# Altium PCB ETRX_Shield_III.PcbDoc (part 1 of 2) (continued)
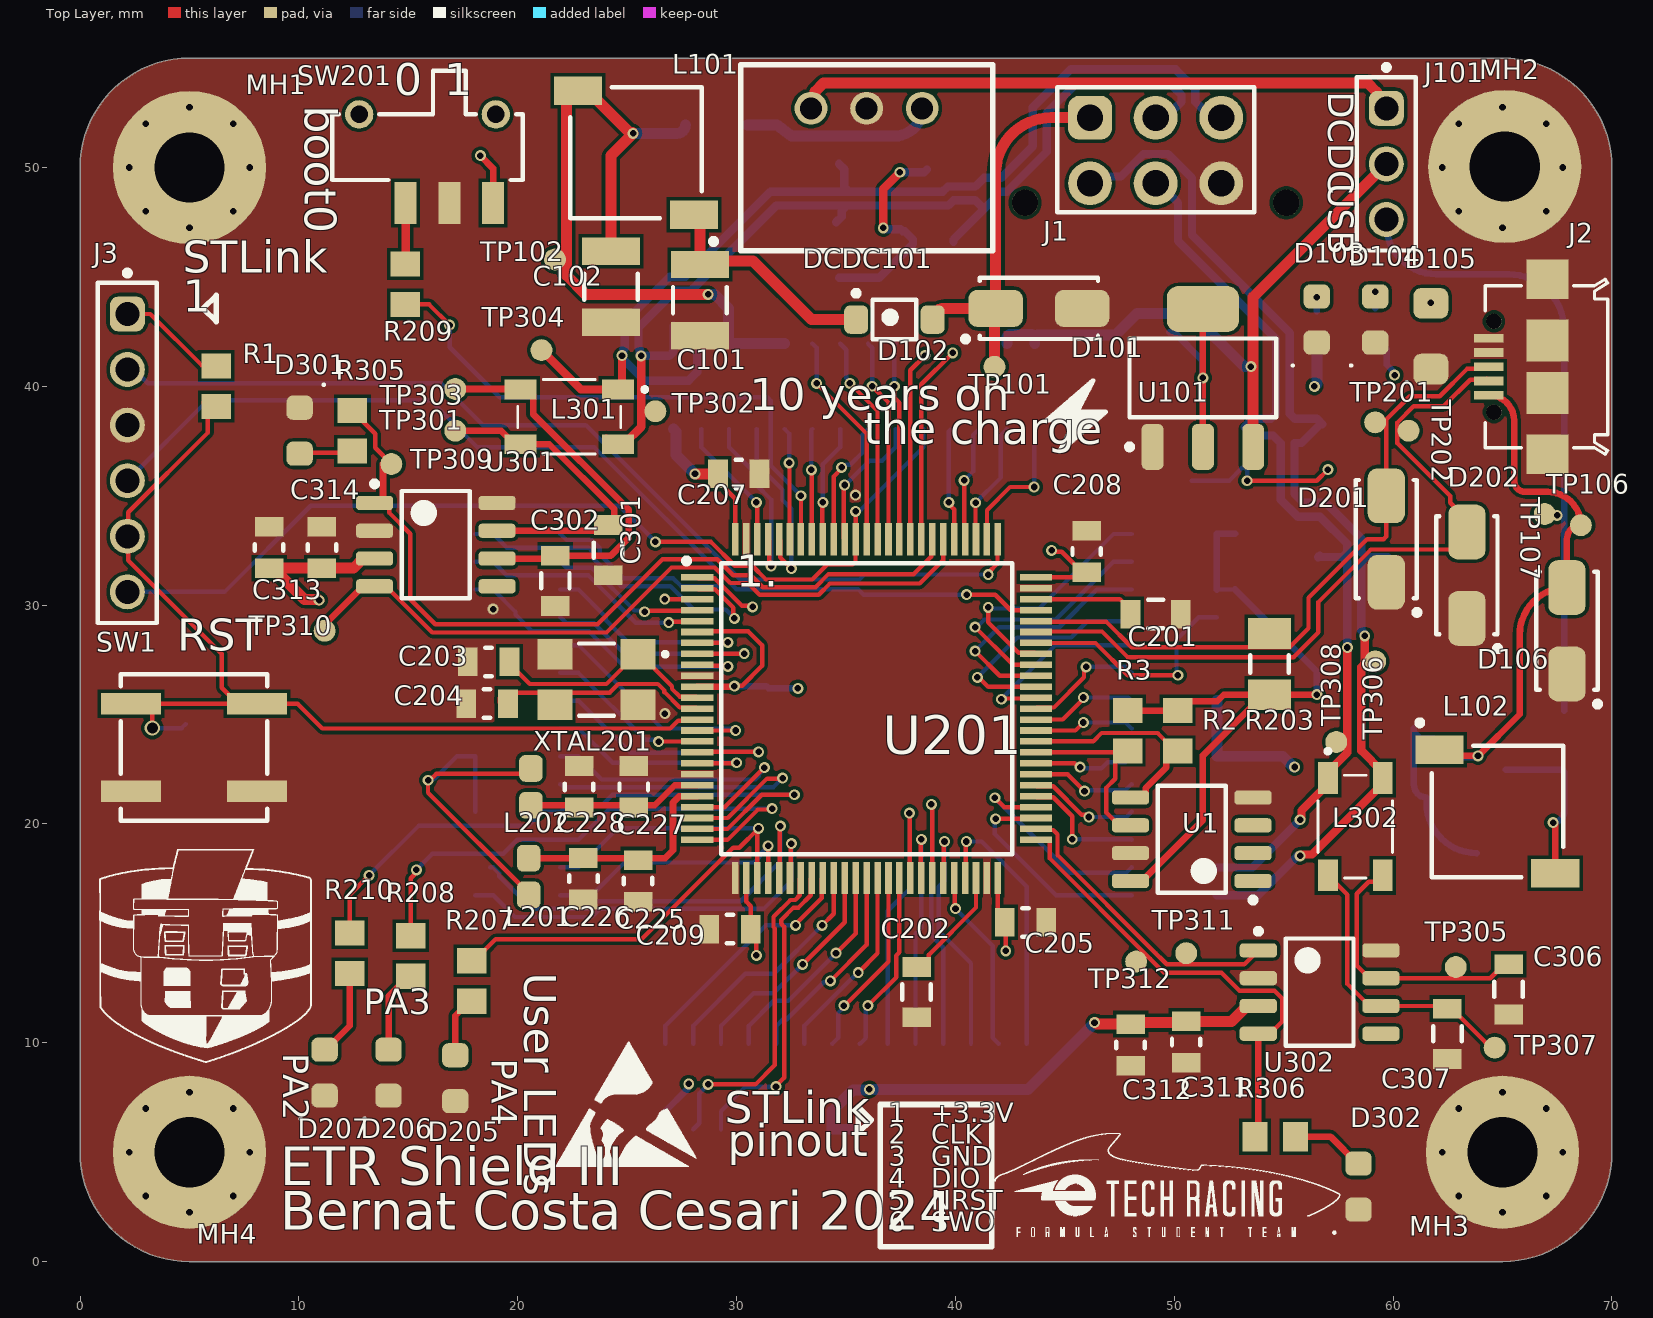
[diagram p0: Top Layer view]
## Components (designator, comment, footprint, x,y, rotation, side; value= is the part's Value field where it differs from the comment)
C2 "885012207098" C0805FNPC-R 4.826,23.622 r270 bottom
C101 "C1210C682KGRACAUTO" C6.8n-2kV-1210FNPMLCC-X7R 28.321,43.942 r270 top
C102 "C1210C682KGRACAUTO" C6.8n-2kV-1210FNPMLCC-X7R 24.257,44.551 r270 top
C104 "885012107014" C0805FNPC-R 47.117,41.402 r270 bottom
C105 "885012107014" C0805FNPC-R 49.784,41.529 r90 bottom
C106 "885012207098" C0805FNPC-R 64.77,18.669 r0 bottom
C107 "885012207103" C0805FNPC-R 62.484,21.209 r0 bottom
C108 "10uF" C0805FNPC-W 62.103,24.384 r0 bottom
C109 "10uF" C0805FNPC-W 65.151,23.622 r90 bottom
C201 "2.2uF" C0805FNPC-W 49.149,29.591 r0 top
C202 "2.2uF" C0805FNPC-W 38.227,12.319 r270 top
C203 "885012007052" C0805FNPC-R 18.669,27.407 r0 top
C204 "885012007052" C0805FNPC-R 18.6,25.5 r0 top
C205 "885012207098" C0805FNPC-R 43.2,15.5 r0 top
C206 "885012207098" C0805FNPC-R 31.4,27.2 r90 bottom
C207 "885012207098" C0805FNPC-R 30.1,36 r0 top
C208 "885012207098" C0805FNPC-R 46,32.45 r90 top
C209 "885012207098" C0805FNPC-R 29.7,15.2 r180 top
C225 "885012207103" C0805FNPC-R 25.5,17.4 r270 top
C226 "885012207098" C0805FNPC-R 23,17.5 r270 top
C227 "885012207103" C0805FNPC-R 25.3,21.7 r90 top
C228 "885012207098" C0805FNPC-R 22.8,21.7 r90 top
C301 "885012007057" C0805FNPC-W 24.13,32.512 r270 top
C302 "885012007057" C0805FNPC-W 21.717,31.115 r90 top
C303 "885012007057" C0805FNPC-W 33.401,47.117 r180 bottom
C304 "885012007057" C0805FNPC-W 33.528,50.165 r180 bottom
C305 "885012007057" C0805FNPC-W 33.528,44.958 r0 bottom
C306 "885012007057" C0805FNPC-W 65.278,12.446 r270 top
C307 "885012007057" C0805FNPC-W 62.484,10.414 r90 top
C308 "885012007057" C0805FNPC-W 59.817,30.988 r270 bottom
C309 "885012007057" C0805FNPC-W 56.642,31.115 r270 bottom
C310 "885012007057" C0805FNPC-W 50.8,36.83 r270 bottom
C311 "885012207098" C0805FNPC-R 50.546,10.033 r270 top
C312 "885012207098" C0805FNPC-R 48.006,9.906 r270 top
C313 "885012207098" C0805FNPC-R 8.636,32.639 r90 top
C314 "885012207098" C0805FNPC-R 11.049,32.639 r90 top
D101 "824501261" DTVS-DO-214AC 43.815,43.561 r180 top
D102 "MBR0530" DSC-SOD123 37.211,43.053 r0 top
D103 "150080GS75000" LED_0805_WE 56.515,43.053 r90 top
D104 "150080GS75000" LED_0805_WE 59.182,43.053 r90 top
D105 "150120BS75000" LED_1206_WE 61.722,42.291 r90 top
D106 "824501131" DTVS-DO-214AC 67.945,28.829 r270 top
D201 "824501600" DTVS-DO-214AC 59.69,33.02 r270 top
D202 "824501600" DTVS-DO-214AC 63.373,31.369 r270 top
D205 "150080RS75000" LED_0805_WE 17.145,8.382 r90 top
D206 "150080RS75000" LED_0805_WE 14.097,8.636 r90 top
D207 "150080RS75000" LED_0805_WE 11.176,8.636 r90 top
D301 "150080YS75000" LED_0805_WE 10.033,37.973 r270 top
D302 "150080YS75000" LED_0805_WE 58.42,3.429 r90 top
DCDC101 "173010542" DCDC_Magi3c 35.941,52.705 r0 top
F101 "0437001.WRA" Fuse_1206 29.083,51.943 r0 bottom
F102 "0437001.WRA" Fuse_1206 67.818,23.749 r90 bottom
J1 "Molex Micro Fit 2x3" J_MicroFit_2x3_V 49.149,50.331 r180 top
J2 "629105136821" 629105136821 67.056,40.894 r90 top
J3 "ST Link" J_STLink_PinHeader 2.159,36.957 r270 top
J4 "62132821021" 62132821021 20,25 r90 bottom locked
J5 "62132821021" 62132821021 35,8 r0 bottom locked
J6 "62132821021" 62132821021 50,25 r270 bottom locked
J7 "62132821021" 62132821021 35.369,40 r0 bottom locked
J101 "3 pin header" J3_PINHEADER 59.69,50.165 r270 top
L101 "47uH" L_47u-490mA_CF 25.4,50.673 r180 top
L102 "47uH" L_47u-490mA_CF 64.77,20.574 r0 top
L201 "782853561" L_Ferrite_bead_0805 20.5,17.6 r90 top
L202 "782853561" L_Ferrite_bead_0805 20.6,21.7 r270 top
L301 "CMC-51uH-DLW43SH510XK2L" CMC_DLW43SH510XK2L 22.352,38.608 r180 top value=51uH
L302 "CMC-51uH-DLW43SH510XK2L" CMC_DLW43SH510XK2L 58.273,19.878 r270 top value=51uH
MH1 "Mounting_Hole_M3" Mounting_Hole_M3#1 5,50 r0 top
MH2 "Mounting_Hole_M3" Mounting_Hole_M3#2 65,50 r0 top
MH3 "Mounting_Hole_M3" Mounting_Hole_M3#1 65,5 r0 top
MH4 "Mounting_Hole_M3" Mounting_Hole_M3#1 5,5 r0 top
R1 "CR0805-JW-103ELF" R0805FTK 6.223,40.005 r270 top
R2 "CR0805-JW-103ELF" R0805FTK 50.165,24.257 r270 top
R3 "CR0805-JW-103ELF" R0805FTK 47.879,24.257 r270 top
R101 "CR0805-FX-4700GLF" R0805FTK 56.515,43.053 r90 bottom
R102 "CR0805-FX-1000ELF" R0805FTK 59.182,43.053 r90 bottom
R103 "CR0805-FX-4700GLF" R0805FTK 61.976,44.196 r90 bottom
R203 "CRCW12061K60FKEA" R1206FTK-W 54.356,27.305 r270 top
R207 "CR0805-FX-1000ELF" R0805FTK 17.907,12.827 r90 top
R208 "CR0805-FX-1000ELF" R0805FTK 15.113,13.97 r90 top
R209 "CR0805-JW-103ELF" R0805FTK 14.859,44.668 r270 top
R210 "CR0805-FX-1000ELF" R0805FTK 12.319,14.097 r90 top
R301 "R60-0805FTN" R0805FTK 38.989,46.609 r0 bottom value=60R
R302 "R60-0805FTN" R0805FTK 39.624,49.911 r0 bottom value=60R
R303 "R60-0805FTN" R0805FTK 56.769,37.374 r90 bottom value=60R
R304 "R60-0805FTN" R0805FTK 53.213,37.211 r90 bottom value=60R
R305 "CR0805-FX-4700GLF" R0805FTK 12.446,37.973 r270 top
R306 "CR0805-FX-4700GLF" R0805FTK 54.61,5.715 r0 top
SW1 "430773034825" WS-TASV_L6W6H3.4_4307x30348xx 5.207,23.495 r0 top
SW201 "450405020524" 450405020524 15.875,50.927 r180 top
TP101 "TestPoint" TestPoint 41.783,40.894 r90 top
TP102 "TestPoint" TestPoint 21.7,45.8 r90 top
TP106 "TestPoint" TestPoint 68.58,33.655 r90 top
TP107 "TestPoint" TestPoint 66.929,34.163 r90 top
TP201 "TestPoint" TestPoint 59.182,38.354 r90 top
TP202 "TestPoint" TestPoint 60.706,37.973 r90 top
TP301 "TestPoint" TestPoint 17.145,37.973 r90 top
TP302 "TestPoint" TestPoint 26.289,38.862 r90 top
TP303 "TestPoint" TestPoint 17.145,39.878 r90 top
TP304 "TestPoint" TestPoint 21.082,41.656 r90 top
TP305 "TestPoint" TestPoint 62.865,13.462 r90 top
TP306 "TestPoint" TestPoint 59.182,27.432 r90 top
TP307 "TestPoint" TestPoint 64.643,9.779 r90 top
TP308 "TestPoint" TestPoint 57.404,23.749 r0 top
TP309 "TestPoint" TestPoint 14.224,36.449 r90 top
TP310 "TestPoint" TestPoint 11.176,28.829 r90 top
TP311 "TestPoint" TestPoint 50.546,14.097 r90 top
TP312 "TestPoint" TestPoint 48.26,13.716 r90 top
U1 "24AA024H-I/SN" "SOIC, 8-Leads 1,27mm" 50.8,19.304 r180 top
U101 "LM1117IMP-3.3/NOPB" LDO_10V-0.8/3V3-SOT223 51.308,40.386 r90 top
U201 "STM32F777VIT6" QFP50P1600X1600X160-100N 35.941,25.273 r0 top locked
U301 "MCP2551 I/SN" "SOIC, 8-Leads 1,27mm" 16.256,32.766 r0 top
U302 "MCP2551 I/SN" "SOIC, 8-Leads 1,27mm" 56.642,12.319 r0 top
XTAL201 "20MHz" XTAL_CFPX-104_5_3.2 23.6,26.6 r180 top

## Footprints (in the part's own frame and the unit in brackets; to place one, negate y for a bottom-side part, rotate by r counter-clockwise, add the part's x,y. Pads: shape width x height; smd on the part's side, far side on the other; paste and mask are expansions set on the pad)
62132821021 [mm] "Pin Header, pitch 1.27 mm, SMD, Vertical, dual row, 28p"
  rect 0.75x2.4 smd: 1(-8.255,-1.95) 2(-8.255,1.95) 3(-6.985,-1.95) 4(-6.985,1.95) 5(-5.715,-1.95) 6(-5.715,1.95) 7(-4.445,-1.95) 8(-4.445,1.95) 9(-3.175,-1.95) 10(-3.175,1.95) 11(-1.905,-1.95) 12(-1.905,1.95) 13(-0.635,-1.95) 14(-0.635,1.95) 15(0.635,-1.95) 16(0.635,1.95) 17(1.905,-1.95) 18(1.905,1.95) 19(3.175,-1.95) 20(3.175,1.95) 21(4.445,-1.95) 22(4.445,1.95) 23(5.715,-1.95) 24(5.715,1.95) 25(6.985,-1.95) 26(6.985,1.95) 27(8.255,-1.95) 28(8.255,1.95)
  body extent -8.89,-2.55 8.89,2.55, height 5.9
450405020524 [mm] "SMT Mini Slide Switch, Same side connection"
  rect 1x1.9 smd: COM(1,2.55) L1(-3,2.55) L2(-1,2.55)
  round 1.3 hole 0.8: MH1(-3.125,-1.5) MH2(3.125,-1.5)
  silkscreen extent -4.35,-3.5 4.35,1.5, body extent -4.45,-3.5 4.45,3.05, height 1.98
629105136821 [mm] "Micro USB 2.0 SMT Type B Horizontal 5 Contacts"
  rect 0.4x1.35 smd: 1(-1.3,2.675) 2(-0.65,2.675) 3(0,2.675) 4(0.65,2.675) 5(1.3,2.675)
  round 0.7 hole 0.7 unplated: MH1(-2.075,2.45) MH2(2.075,2.45)
  rect 1.8x1.9 smd: Shell(-4,0) Shell(4,0)
  rect 1.9x1.9 smd: Shell(-1.2,0) Shell(1.2,0)
  silkscreen extent -4,-2.75 4,2.85, body extent -4,-2.73 4,3.17, height 2.69
C6.8n-2kV-1210FNPMLCC-X7R [mm] "Chip Capacitor, 2-Leads, Body 3,20x2,50mm, IPC Medium Density"
  rect 1.25x2.65 smd: 1(-1.625,0) 2(1.625,0)
  silkscreen extent -0.6,-1.22 0.6,1.23, body extent -1.6,-1.26 1.6,1.24, height 2.78
C0805FNPC-R [mm]
  rect 0.9x1.3 smd: 1(-0.95,0) 2(0.95,0)
  silkscreen extent -0.15,-0.65 0.15,0.65, body extent -1.03,-0.63 0.97,0.63, height 0.96
C0805FNPC-W [mm]
  rect 0.9x1.3 smd: 1(-1.15,0) 2(1.15,0)
  silkscreen extent -0.35,-0.65 0.35,0.65, body extent -1,-0.63 1,0.63, height 0.96
CMC_DLW43SH510XK2L [mm]
  rect 1.45x0.9 smd: 1(-2.225,-1.25) 2(2.225,-1.25) 3(2.225,1.25) 4(-2.225,1.25)
  silkscreen extent -3.55,-1.7 2.35,1.7, body extent -2.25,-1.6 2.25,1.6, height 2.6
DCDC_Magi3c [mm]
  round 1.5 hole 1: 1(2.54,0) 2(0,0) 3(-2.54,0)
  silkscreen extent -5.75,-6.5 5.77,2, body extent -5.8,-6.5 5.8,2, height 10.2
DSC-SOD123 [mm] "SOIC, 2-Leads, Body 1,60x2,69mm, Pitch 1,27mm, IPC Low Density"
  rrect50% 1.1x1.3 smd: A(1.75,0) K(-1.75,0)
  silkscreen extent -1.87,-0.9 1,1.32, body extent -1.86,-0.8 1.86,0.8, height 1.36
DTVS-DO-214AC [mm] "Molded Diode, 2-Leads, Body 5,11x2,67mm, IPC Medium Density"
  rrect50% 2.5x1.7 smd: 1(-1.975,0) 2(1.975,0)
  silkscreen extent -2.7,-1.4 3.47,1.52, body extent -2.56,-1.34 2.56,1.34, height 2.5
Fuse_1206 [mm] "Chip Resistor, 2-Leads, Body 3,20x1,58mm, IPC Medium Density"
  rrect50% 1.25x1.75 smd: 1(-1.425,0) 2(1.425,0)
  silkscreen extent -0.4,-0.77 0.4,0.77, body extent -1.6,-0.79 1.6,0.79, height 0.86
J3_PINHEADER [mm] "Pin Header, pitch 2.54 mm, THT, Vertical, single row, 3p"
  rrect50% 1.6x1.6 hole 1.1: 1(-2.54,0)
  round 1.6 hole 1.1: 2(0,0) 3(2.54,0)
  silkscreen extent -4.53,-1.35 3.96,1.35, body extent -3.81,-1.27 3.81,1.27, height 8.57
J_MicroFit_2x3_V [mm]
  rrect50% 2x2 hole 1.2: 1(3,-1.944)
  round 2 hole 1.2: 2(0,-1.944) 3(-3,-1.944) 4(3,1.055) 5(0,1.055) 6(-3,1.055)
  round 1.2 hole 1.2: 7(-5.969,1.944) 7(5.969,1.944)
  silkscreen extent -4.5,-3.34 4.5,2.37, body extent -6.57,-4.41 6.58,4.36, height 9.92
J_STLink_PinHeader [mm] "Pin Header, pitch 2.54 mm, THT, Vertical, single row, 6p"
  rrect50% 1.6x1.6 hole 1.1: 1(-6.35,0)
  round 1.6 hole 1.1: 2(-3.81,0) 3(-1.27,0) 4(1.27,0) 5(3.81,0) 6(6.35,0)
  silkscreen extent -8.34,-1.35 7.77,1.35, body extent -7.62,-1.27 7.62,1.27, height 8.57
L_47u-490mA_CF [mm] "Precision Wire Wound Inductor, 2-Leads, Body 5,80x5,80mm, IPC Medium Density"
  rect 2.2x1.3 smd: 1(-2.65,2.825) 2(2.643,-2.832)
  silkscreen extent -3.68,-3 3,4.17, body extent -3,-3 3,3, height 2.5
L_Ferrite_bead_0805 [mm] "Chip Inductor, 2-Leads, Body 1,60x0,80mm, IPC Low Density"
  rrect50% 1.22x1.08 smd: 1(-0.84,0) 2(0.84,0)
  body extent -0.88,-0.48 0.87,0.47, height 0.65
LDO_10V-0.8/3V3-SOT223 [mm] "SOT223, 4-Leads, Body 6,50x7,00mm (avg), Pitch 2,30mm, IPC Low Density"
  rrect50% 2.1x1 smd: 1(-3.15,2.3) 2(-3.15,0) 3(-3.15,-2.3)
  rrect50% 2.1x3.3 smd: 4(3.15,0)
  silkscreen extent -3.27,-3.35 1.8,3.47, body extent -3.5,-3.25 3.5,3.25, height 1.81
LED_0805_WE [mm] "SODFL, 2-Leads, Body 1,60x3,20mm, IPC Medium Density"
  rrect50% 1.1x1.2 smd: A(1.05,0) K(-1.05,0)
  silkscreen extent -2.15,1.05 -2.05,1.15, body extent -1,-0.62 1,0.63, height 0.7
LED_1206_WE [mm] "SODFL, 2-Leads, Body 1,60x3,20mm, IPC Medium Density"
  rrect50% 1.4x1.6 smd: A(1.5,0) K(-1.5,0)
  silkscreen extent -2.15,1.05 -2.05,1.15, body extent -1.6,-0.8 1.6,0.8, height 0.68
Mounting_Hole_M3#1 [mm]
  round 7 hole 3.2: 1(0,0)
Mounting_Hole_M3#2 [mm]
  round 7 hole 3.2: 1(0.103,0.042)
QFP50P1600X1600X160-100N [mm]
  rect 1.475x0.3 smd: 1(-7.738,6) 2(-7.738,5.5) 3(-7.738,5) 4(-7.738,4.5) 5(-7.738,4) 6(-7.738,3.5) 7(-7.738,3) 8(-7.738,2.5) 9(-7.738,2) 10(-7.738,1.5) 11(-7.738,1) 12(-7.738,0.5) 13(-7.738,0) 14(-7.738,-0.5) 15(-7.738,-1) 16(-7.738,-1.5) 17(-7.738,-2) 18(-7.738,-2.5) 19(-7.738,-3) 20(-7.738,-3.5) 21(-7.738,-4) 22(-7.738,-4.5) 23(-7.738,-5) 24(-7.738,-5.5) 25(-7.738,-6) 51(7.738,-6) 52(7.738,-5.5) 53(7.738,-5) 54(7.738,-4.5) 55(7.738,-4) 56(7.738,-3.5) 57(7.738,-3) 58(7.738,-2.5) 59(7.738,-2) 60(7.738,-1.5) 61(7.738,-1) 62(7.738,-0.5) 63(7.738,0) 64(7.738,0.5) 65(7.738,1) 66(7.738,1.5) 67(7.738,2) 68(7.738,2.5) 69(7.738,3) 70(7.738,3.5) 71(7.738,4) 72(7.738,4.5) 73(7.738,5) 74(7.738,5.5) 75(7.738,6)
  rect 0.3x1.475 smd: 26(-6,-7.738) 27(-5.5,-7.738) 28(-5,-7.738) 29(-4.5,-7.738) 30(-4,-7.738) 31(-3.5,-7.738) 32(-3,-7.738) 33(-2.5,-7.738) 34(-2,-7.738) 35(-1.5,-7.738) 36(-1,-7.738) 37(-0.5,-7.738) 38(0,-7.738) 39(0.5,-7.738) 40(1,-7.738) 41(1.5,-7.738) 42(2,-7.738) 43(2.5,-7.738) 44(3,-7.738) 45(3.5,-7.738) 46(4,-7.738) 47(4.5,-7.738) 48(5,-7.738) 49(5.5,-7.738) 50(6,-7.738) 76(6,7.738) 77(5.5,7.738) 78(5,7.738) 79(4.5,7.738) 80(4,7.738) 81(3.5,7.738) 82(3,7.738) 83(2.5,7.738) 84(2,7.738) 85(1.5,7.738) 86(1,7.738) 87(0.5,7.738) 88(0,7.738) 89(-0.5,7.738) 90(-1,7.738) 91(-1.5,7.738) 92(-2,7.738) 93(-2.5,7.738) 94(-3,7.738) 95(-3.5,7.738) 96(-4,7.738) 97(-4.5,7.738) 98(-5,7.738) 99(-5.5,7.738) 100(-6,7.738)
  silkscreen extent -8.35,-6.65 6.65,6.87, body extent -8.1,-8.1 8.1,8.1, height 1.6
R0805FTK [mm] "Chip Resistor, 2-Leads, Body 2,00x1,25mm, IPC Medium Density"
  rect 1.15x1.35 smd: 1(-0.925,0) 2(0.925,0)
  body extent -1,-0.63 1,0.63, height 0.65
R1206FTK-W [mm] "Chip Resistor, 2-Leads, Body 3,15x1,60mm, IPC Medium Density"
  rect 1.4x1.95 smd: 1(-1.4,0) 2(1.4,0)
  silkscreen extent -0.4,-0.87 0.4,0.87, body extent -1.58,-0.8 1.58,0.8, height 0.61
"SOIC, 8-Leads 1,27mm" [mm] "SOIC, 8-Leads, Body 4,90x3,90mm, Pitch 1,27mm, IPC Low Density"
  rrect50% 1.7x0.65 smd: 1(-2.8,1.905) 2(-2.8,0.635) 3(-2.8,-0.635) 4(-2.8,-1.905) 5(2.8,-1.905) 6(2.8,-0.635) 7(2.8,0.635) 8(2.8,1.905)
  silkscreen extent -2.93,-2.45 1.55,2.9, body extent -2.98,-2.43 3.02,2.47, height 1.76
TestPoint [mm]
  round 1 smd: 1(0,0)
WS-TASV_L6W6H3.4_4307x30348xx [mm] "SMD Tact Switch, body 6x6mm"
  rect 2.75x1 smd: A1(-2.875,2) A2(2.875,2) B1(-2.875,-2) B2(2.875,-2)
  silkscreen extent -3.35,-3.35 3.35,3.35, body extent -3.4,-3.1 3.4,3.1, height 3.4
XTAL_CFPX-104_5_3.2 [mm] "Quartz Crystal, size CFPX-104, body 5x3.2mm"
  rect 1.6x1.4 smd: 1(-1.9,-1.15) 2(1.9,-1.15) 3(1.9,1.15) 4(-1.9,1.15)
  silkscreen extent -3.24,-1.65 0.8,1.65, body extent -2.5,-1.6 2.5,1.6, height 0.95

## Part data
C2 C106 C205 C206 C207 C208 C209 C226 C228 C311 C312 C313 C314: library part C100n-50V-0805FNPC-X7R, "Cap, 0.1ΜF, 50V, 10%, X7R, 0805", Capacitance=100nF, Case Code (Imperial)=0805, Case Code (Metric)=2012, Dielectric=X7R, Manufacturer 1="Wurth Electronics", Max Operating Temperature=125°C, Min Operating Temperature=-55°C, Supplier Part Number 1=1813493, Tolerance=10%, Voltage Rating=50V, .Creator=DR, Case/Package=0805, Category="Ceramic Capacitors", ComponentLink1Description=http://www.farnell.com/datasheets/1958498.pdf?src-supplier=Farnell, ComponentLink1URL=http://www.farnell.com/datasheets/1958498.pdf?src-supplier=Farnell, ComponentLink2Description=http://www.farnell.com/datasheets/1958498.pdf?src-supplier=Element14, ComponentLink2URL=http://www.farnell.com/datasheets/1958498.pdf?src-supplier=Element14, ComponentLink3Description=https://katalog.we-online.de/pbs/datasheet/885012207098.pdf?src-supplier=Digi-Key, ComponentLink3URL=https://katalog.we-online.de/pbs/datasheet/885012207098.pdf?src-supplier=Digi-Key, ComponentLink4Description=http://www.farnell.com/datasheets/1958498.pdf?src-supplier=Newark, ComponentLink4URL=http://www.farnell.com/datasheets/1958498.pdf?src-supplier=Newark, Length=0.079inch, Manufacturer Part Number 1=885012207098, Mount="Surface Mount", Packaging="Cut Tape", Pricing 1="100=0,10200, 500=0,07100, 2000=0,06100 (GBP)", REACH SVHC=Unknown, RoHS=Yes, RoHS Compliant=Yes, Stock 1=8000, Supplier 1=RSComponents, Thickness=0.035inch, Voltage Rating (DC)=50V, Width=0.049inch
C101 C102: library part C6.8n-2kV-1210FNPMLCC-X7R, "Cap, AEC-Q200, 6800PF, 2KV, Mlcc, 1210;", Capacitance=47uF, Case Code (Imperial)=1210, Case Code (Metric)=3225, Dielectric=X7R, Manufacturer=KEMET, Max Operating Temperature=125°C, Min Operating Temperature=-55°C, Package Quantity=1000, Supplier Part Number 1=399-C1210C682KGRACAUTOCT-ND, Tolerance=10%, Voltage Rating (DC)=2kV, .Creator=DR, Case/Package=1210, Category="Ceramic Capacitors", ComponentLink1Description=http://www.mouser.com/ds/2/212/KEM_C1010_X7R_HV_SMD-345925.pdf?src-supplier=Mouser, ComponentLink1URL=http://www.mouser.com/ds/2/212/KEM_C1010_X7R_HV_SMD-345925.pdf?src-supplier=Mouser, Length=3.2mm, Manufacturer Part Number=C1210C682KGRACAUTO, Packaging="Tape and Reel", Pricing 1="1=0,78000, 10=0,55500, 50=0,41940, 100=0,36530, 500=0,27060 (USD)", RoHS=Yes, RoHS Compliant=Yes, Stock 1=1000, Supplier 1=Digi-Key, Termination=SMD/SMT, Weight=0.000564oz, Width=2.5mm
C104 C105: library part C10u-16V-0805FNPC-X5R, "Multilayer Ceramic Capacitor, Wcap-Csgp Series, 10 F, 20%, X5R, 16 V, 0805 [2012 Metric] Rohs Compliant: Yes", Capacitance=10uF, Case Code (Imperial)=0805, Case Code (Metric)=2012, Dielectric=X5R, Manufacturer 1="Wurth Electronics", Max Operating Temperature=85°C, Min Operating Temperature=-55°C, Supplier Part Number 1=1813526, Tolerance=20%, Voltage Rating=16V, .Creator=DR, Case/Package=0805, Category="Ceramic Capacitors", ComponentLink1Description=http://www.farnell.com/datasheets/1958454.pdf?src-supplier=Farnell, ComponentLink1URL=http://www.farnell.com/datasheets/1958454.pdf?src-supplier=Farnell, ComponentLink2Description=http://www.farnell.com/datasheets/1958454.pdf?src-supplier=Element14, ComponentLink2URL=http://www.farnell.com/datasheets/1958454.pdf?src-supplier=Element14, ComponentLink3Description=https://katalog.we-online.de/pbs/datasheet/885012107014.pdf?src-supplier=Digi-Key, ComponentLink3URL=https://katalog.we-online.de/pbs/datasheet/885012107014.pdf?src-supplier=Digi-Key, ComponentLink4Description=http://www.farnell.com/datasheets/1958454.pdf?src-supplier=Newark, ComponentLink4URL=http://www.farnell.com/datasheets/1958454.pdf?src-supplier=Newark, Length=0.079inch, Manufacturer Part Number 1=885012107014, Mount="Surface Mount", Packaging="Cut Tape", Pricing 1="50=0,21000, 250=0,20200, 500=0,19100, 1000=0,17400, 2500=0,14700 (GBP)", REACH SVHC=Unknown, RoHS=Yes, RoHS Compliant=Yes, Stock 1=81550, Supplier 1=RSComponents, Thickness=0.057inch, Voltage Rating (DC)=16V, Width=0.049inch
C107 C225 C227: library part C1u-50V-0805FNPC-X7R, "Multilayer Ceramic Capacitor, Wcap-Csgp Series, 1 F, 10%, X7R, 50 V, 0805 [2012 Metric] Rohs Compliant: Yes", Capacitance=1uF, Case Code (Imperial)=0805, Case Code (Metric)=2012, Dielectric=X7R, Manufacturer 1="Wurth Electronics", Max Operating Temperature=85°C, Min Operating Temperature=-55°C, Supplier Part Number 1=1813523, Tolerance=10%, Voltage Rating=50V, .Creator=GP, Case/Package=0805, Category="Ceramic Capacitors", ComponentLink1Description=http://www.farnell.com/datasheets/1958501.pdf?src-supplier=Farnell, ComponentLink1URL=http://www.farnell.com/datasheets/1958501.pdf?src-supplier=Farnell, ComponentLink2Description=http://www.farnell.com/datasheets/1958501.pdf?src-supplier=Element14, ComponentLink2URL=http://www.farnell.com/datasheets/1958501.pdf?src-supplier=Element14, ComponentLink3Description=https://katalog.we-online.de/pbs/datasheet/885012107003.pdf?src-supplier=Digi-Key, ComponentLink3URL=https://katalog.we-online.de/pbs/datasheet/885012107003.pdf?src-supplier=Digi-Key, ComponentLink4Description=http://www.farnell.com/datasheets/1958501.pdf?src-supplier=Newark, ComponentLink4URL=http://www.farnell.com/datasheets/1958501.pdf?src-supplier=Newark, Length=0.079inch, Manufacturer Part Number 1=885012207103, Mount="Surface Mount", Packaging="Cut Tape", Pricing 1="50=0,27200, 250=0,25300, 500=0,22800, 1250=0,20100, 2500=0,17100 (GBP)", REACH SVHC=Unknown, RoHS=Yes, RoHS Compliant=Yes, Stock 1=5100, Supplier 1=RSComponents, Thickness=0.053inch, Voltage Rating (DC)=50V, Width=0.049inch
C108 C109: library part C10uF-50V-0805FNPC
C201 C202: library part C2.2u-16V-0805FTK
C203 C204: library part C15p-50V-0805FNPC-NP0, "Cap, 15PF, 50V, 5%, C0G/NP0, 0805", Capacitance=15pF, Case Code (Imperial)=0805, Case Code (Metric)=2012, Manufacturer 1="Wurth Electronics", Max Operating Temperature=125°C, Min Operating Temperature=-55°C, Supplier Part Number 1=15AC9316, Tolerance=5%, Voltage Rating=50V, .Creator=DR, Case/Package=0805, Category="Ceramic Capacitors", ComponentLink1Description=http://www.farnell.com/datasheets/2031702.pdf?src-supplier=Farnell, ComponentLink1URL=http://www.farnell.com/datasheets/2031702.pdf?src-supplier=Farnell, ComponentLink2Description=http://katalog.we-online.de/pbs/datasheet/885012007052.pdf?src-supplier=Digi-Key, ComponentLink2URL=http://katalog.we-online.de/pbs/datasheet/885012007052.pdf?src-supplier=Digi-Key, ComponentLink3Description=https://katalog.we-online.de/pbs/datasheet/885012007052.pdf?src-supplier=Digi-Key, ComponentLink3URL=https://katalog.we-online.de/pbs/datasheet/885012007052.pdf?src-supplier=Digi-Key, Length=0.079inch, Manufacturer Part Number 1=885012007052, Mount="Surface Mount", Packaging="Cut Tape", Pricing 1="1=0,10800, 10=0,05200, 25=0,05100, 50=0,04900, 100=0,04800, 250=0,04600, 500=0,04300 (USD)", RoHS=Yes, RoHS Compliant=Yes, Stock 1=815, Supplier 1=Newark, Thickness=0.028inch, Width=0.049inch
C301 C302 C303 C304 C305 C306 C307 C308 C309 C310: library part C100p-50V-0805FNPC-C0G/NP0, "Multilayer Ceramic Capacitor, Wcap-Csgp Series, 100 Pf, 5%, C0G / Np0, 50 V, 0805 [2012 Metric] Rohs Compliant: Yes", Capacitance=100pF, Case Code (Imperial)=0805, Case Code (Metric)=2012, Dielectric=C0G, Manufacturer="Wurth Electronics", Max Operating Temperature=125°C, Min Operating Temperature=-55°C, Supplier Part Number 1=1813930, Tolerance=5%, Voltage Rating=50V, .Creator=DR, Case/Package=0805, Category="Ceramic Capacitors", ComponentLink1Description=http://www.farnell.com/datasheets/1958443.pdf?src-supplier=Farnell, ComponentLink1URL=http://www.farnell.com/datasheets/1958443.pdf?src-supplier=Farnell, ComponentLink2Description=https://katalog.we-online.de/pbs/datasheet/885012007057.pdf?src-supplier=Digi-Key, ComponentLink2URL=https://katalog.we-online.de/pbs/datasheet/885012007057.pdf?src-supplier=Digi-Key, ComponentLink3Description=http://www.farnell.com/datasheets/1958443.pdf?src-supplier=Element14, ComponentLink3URL=http://www.farnell.com/datasheets/1958443.pdf?src-supplier=Element14, ComponentLink4Description=http://www.farnell.com/datasheets/1958443.pdf?src-supplier=Newark, ComponentLink4URL=http://www.farnell.com/datasheets/1958443.pdf?src-supplier=Newark, ComponentLink5Description="Where buy it", ComponentLink5URL=https://www.we-online.com/catalog/en/WCAP-CSGP-50VDC#885012007057, Length=0.079inch, Manufacturer Part Number=885012007057, Mount="Surface Mount", Packaging="Cut Tape", Pricing 1="4000=0,03900, 12000=0,03800 (USD)", REACH SVHC=Unknown, RoHS=Yes, RoHS Compliant=Yes, Stock 1=1, Supplier 1=RSComponents, Thickness=0.035inch, Voltage Rating (DC)=50V, Width=0.049inch
D101: library part DTVS-26V-DO-214AC, "TVS diode [Würth Elektronik] 824501261 TVS diode", Clamping Voltage=42.1V, Manufacturer="Wurth Electronics", Max Breakdown Voltage=30.4V, Max Operating Temperature=150°C, Min Operating Temperature=-65°C, Peak Pulse Current=9.5A, Peak Pulse Power=400W, Power Line Protection=No, Resistor Type=Zener, Reverse Standoff Voltage=26V, Supplier Part Number 1=9217305, .Creator=DO, Category="TVS Diodes", ComponentLink1Description=http://www.farnell.com/datasheets/2036389.pdf?src-supplier=Farnell, ComponentLink1URL=http://www.farnell.com/datasheets/2036389.pdf?src-supplier=Farnell, ComponentLink2Description=http://www.farnell.com/datasheets/2036389.pdf?src-supplier=Element14, ComponentLink2URL=http://www.farnell.com/datasheets/2036389.pdf?src-supplier=Element14, ComponentLink3Description=https://katalog.we-online.de/pbs/datasheet/824501261.pdf?src-supplier=Digi-Key, ComponentLink3URL=https://katalog.we-online.de/pbs/datasheet/824501261.pdf?src-supplier=Digi-Key, ComponentLink4Description="Where buy it", ComponentLink4URL=https://www.we-online.com/catalog/en/WE-TVSP?sq=824501261#824501261, Manufacturer Part Number=824501261, Min Breakdown Voltage=30.4V, Mount="Surface Mount", Number of Bidirectional Channels=1, Number of Pins=2, Packaging="Cut Tape", Polarity=Bidirectional, Pricing 1="50=0,29400, 250=0,26100, 500=0,21200, 1000=0,20100, 2000=0,19600 (USD)", REACH SVHC=Unknown, RoHS=Yes, RoHS Compliant=Yes, Stock 1=1, Supplier 1=RSComponents
D102: library part DSC-0.5/30-SOD123, "VR=30V IF=500mA 30pF P=410mW", Average Rectified Current=500mA, Forward Voltage=430mV, Max Forward Surge Current (Ifsm)=5.5A, Max Repetitive Reverse Voltage (Vrrm)=30V, Max Reverse Current=130uA, Package Quantity=1, Supplier Part Number 1=15R3453, .Creator=GP, Category=Diode, ComponentLink1Description=Datasheet, ComponentLink2Description="Where buy it", ComponentLink3Description=https://datasheet.ciiva.com/30479/0900766b810e2512-30479401.pdf?src-supplier=RSComponents, ComponentLink3URL=https://datasheet.ciiva.com/30479/0900766b810e2512-30479401.pdf?src-supplier=RSComponents, ComponentLink4Description=https://datasheet.ciiva.com/34301/974753-34301826.pdf?src-supplier=Jameco, ComponentLink4URL=https://datasheet.ciiva.com/34301/974753-34301826.pdf?src-supplier=Jameco, ComponentLink5Description=https://datasheet.ciiva.com/910/mbr0530-910516.pdf?src-supplier=Digi-Key, ComponentLink5URL=https://datasheet.ciiva.com/910/mbr0530-910516.pdf?src-supplier=Digi-Key, ComponentLink6Description=https://datasheet.ciiva.com/25931/mbr0530-25931989.pdf?src-supplier=Avnet+Europe, ComponentLink6URL=https://datasheet.ciiva.com/25931/mbr0530-25931989.pdf?src-supplier=Avnet+Europe, ComponentLink7Description=https://datasheet.ciiva.com/8300/mbr0530-8300905.pdf?src-supplier=Avnet, ComponentLink7URL=https://datasheet.ciiva.com/8300/mbr0530-8300905.pdf?src-supplier=Avnet, ComponentLink8Description=https://datasheet.ciiva.com/17318/mbr0530-17318568.pdf?src-supplier=Future+Electronics, ComponentLink8URL=https://datasheet.ciiva.com/17318/mbr0530-17318568.pdf?src-supplier=Future+Electronics, ComponentLink9Description=https://datasheet.ciiva.com/15144/getdatasheetpartid-86760-15144598.pdf?src-supplier=Verical, ComponentLink9URL=https://datasheet.ciiva.com/15144/getdatasheetpartid-86760-15144598.pdf?src-supplier=Verical, ComponentLink10Description=https://datasheet.ciiva.com/910/mbr0530-910518.pdf?src-supplier=Digi-Key, ComponentLink10URL=https://datasheet.ciiva.com/910/mbr0530-910518.pdf?src-supplier=Digi-Key, Contact Plating=Tin,Matte, Current Rating=500mA, Element Configuration=Single, Forward Current=500mA, Height=1.03mm, Lead Free="Lead Free", Length=2.7mm, Max Reverse Leakage Current=130uA, Max Reverse Voltage (DC)=30V, Max Surge Current=5.5A, Mount="Surface Mount", Output Current=500mA, Peak Non-Repetitive Surge Current=5.5A, Polarity=Standard, Pricing 1="1=0,34400, 10=0,23900, 100=0,12200, 500=0,10000 (USD)", Radiation Hardening=No, REACH SVHC="No SVHC", RoHS Compliant=Yes, Series=-, Stock 1=9, Supplier 1=Newark, Voltage Rating (DC)=30V, Weight=0.03g, Width=1.6mm
D103 D104: library part LEDGS-0805-450, "Led, Green, 520 Nm, 3.2 V, 30 Ma, 450 Mcd Rohs Compliant: Yes", Case Code (Imperial)=0805, Case Code (Metric)=2012, Color=Green, Forward Current=30mA, Forward Voltage=3.2V, Manufacturer 1="Wurth Electronics", Max Operating Temperature=85°C, Min Operating Temperature=-40°C, Package Quantity=4000, Supplier Part Number 1=8154221, Test Current=20mA, .Creator=GP, Case/Package=0805, Category=LEDs, ComponentLink1Description=Datasheet, ComponentLink1URL=https://www.we-online.com/catalog/datasheet/150080GS75000.pdf, ComponentLink2Description="Where buy it", ComponentLink2URL=https://katalog.we-online.de/en/led/WL-SMCW/150080GS75000, ComponentLink3Description=https://datasheet.ciiva.com/29563/150080gs75000-29563008.pdf?src-supplier=Digi-Key, ComponentLink3URL=https://datasheet.ciiva.com/29563/150080gs75000-29563008.pdf?src-supplier=Digi-Key, ComponentLink4Description=https://datasheet.ciiva.com/29279/759434-da-01-en-chipled-0805-w-kl-gruen-150080gs75000-29279039.pdf?src-supplier=Conrad, ComponentLink4URL=https://datasheet.ciiva.com/29279/759434-da-01-en-chipled-0805-w-kl-gruen-150080gs75000-29279039.pdf?src-supplier=Conrad, Dominant Wavelength=520nm, Height=0.7mm, Length=2mm, Lens Style=Clear,Rectangular, Luminous Intensity=450mcd, Manufacturer Part Number 1=150080GS75000, Mount="Surface Mount", Packaging="Cut Tape", Pricing 1="50=0,19300, 500=0,12900, 1000=0,12300, 2000=0,11700, 4000=0,11100 (USD)", REACH SVHC=Unknown, RoHS=Yes, RoHS Compliant=Yes, Stock 1=4350, Supplier 1=RSComponents, Viewing Angle=140°, Wavelength=520nm, Width=1.25mm
D105: library part LEDBS-1206-145, "Led, Blue, 470 Nm, 3.2 V, 30 Ma, 145 Mcd Rohs Compliant: Yes", Case Code (Imperial)=1206, Case Code (Metric)=3216, Color=Blue, Forward Current=30mA, Forward Voltage=3.2V, Manufacturer="Wurth Electronics", Max Operating Temperature=85°C, Min Operating Temperature=-40°C, Package Quantity=3000, Supplier Part Number 1=8154243, Test Current=20mA, .Creator=GP, Case/Package=1206, Category=LEDs, ComponentLink1Description=https://datasheet.ciiva.com/22656/150120bs75000-22656976.pdf?src-supplier=Element14, ComponentLink1URL=https://datasheet.ciiva.com/22656/150120bs75000-22656976.pdf?src-supplier=Element14, ComponentLink2Description=https://datasheet.ciiva.com/29279/759440-da-01-en-chipled-1206-w-kl-blau-150120bs75000-29279045.pdf?src-supplier=Conrad, ComponentLink2URL=https://datasheet.ciiva.com/29279/759440-da-01-en-chipled-1206-w-kl-blau-150120bs75000-29279045.pdf?src-supplier=Conrad, ComponentLink3Description=https://datasheet.ciiva.com/29561/150120bs75000-29561882.pdf?src-supplier=Digi-Key, ComponentLink3URL=https://datasheet.ciiva.com/29561/150120bs75000-29561882.pdf?src-supplier=Digi-Key, ComponentLink4Description="Where buy it", ComponentLink4URL=https://www.we-online.com/catalog/en/WL-SMCW?sq=150120BS75000#150120BS75000, Dominant Wavelength=470nm, Height=0.68mm, Length=3.2mm, Lens Style=Clear,Rectangular, Luminous Intensity=145mcd, Manufacturer Part Number=150120BS75000, Mount="Surface Mount", Packaging="Tape and Reel", Pricing 1="50=0,23200, 500=0,16400, 750=0,15500, 1500=0,15000, 3000=0,14200 (USD)", REACH SVHC=Unknown, RoHS=Yes, RoHS Compliant=Yes, Stock 1=1, Supplier 1=RSComponents, Viewing Angle=140°, Wavelength=470nm, Width=1.6mm
D106: library part DTVS-13V-DO-214AC, "Tvs Diode, 400W, 13V, Bidir, DO-214AC", Clamping Voltage=21.5V, Manufacturer="Wurth Electronics", Max Breakdown Voltage=15.15V, Max Operating Temperature=150°C, Min Operating Temperature=-65°C, Peak Pulse Current=18.6A, Peak Pulse Power=400W, Power Line Protection=No, Resistor Type=Zener, Reverse Standoff Voltage=13V, Supplier Part Number 1=732-824501131CT-ND, .Creator=DO, Category="TVS Diodes", ComponentLink1Description=https://katalog.we-online.de/pbs/datasheet/824501131.pdf?src-supplier=Digi-Key, ComponentLink1URL=https://katalog.we-online.de/pbs/datasheet/824501131.pdf?src-supplier=Digi-Key, ComponentLink2Description=http://www.farnell.com/datasheets/2036399.pdf?src-supplier=Element14, ComponentLink2URL=http://www.farnell.com/datasheets/2036399.pdf?src-supplier=Element14, ComponentLink3Description="Where buy it", ComponentLink3URL=https://www.we-online.com/catalog/en/WE-TVSP?sq=824501131#824501131, Manufacturer Part Number=824501131, Min Breakdown Voltage=15.15V, Mount="Surface Mount", Number of Bidirectional Channels=1, Number of Pins=2, Packaging="Cut Tape", Polarity=Bidirectional, Pricing 1="1=0,27000 (USD)", REACH SVHC=Unknown, RoHS=Yes, RoHS Compliant=Yes, Stock 1=1000, Supplier 1=Digi-Key
D201 D202: library part DTVS-6V-DO-214AC, "TVS diode [Würth Elektronik] 824501600 TVS diode", Clamping Voltage=10.3V, Manufacturer="Wurth Electronics", Max Breakdown Voltage=7.02V, Max Operating Temperature=150°C, Min Operating Temperature=-65°C, Peak Pulse Current=38.8A, Peak Pulse Power=400W, Power Line Protection=No, Resistor Type=Zener, Reverse Standoff Voltage=6V, Supplier Part Number 1=710-824501600, .Creator=DO, Category="TVS Diodes", ComponentLink1Description="Where buy it", ComponentLink1URL=https://www.we-online.com/catalog/en/WE-TVSP?sq=824501600#824501600, ComponentLink2Description=http://www.farnell.com/datasheets/2036401.pdf?src-supplier=Element14, ComponentLink2URL=http://www.farnell.com/datasheets/2036401.pdf?src-supplier=Element14, ComponentLink3Description=https://katalog.we-online.de/pbs/datasheet/824501600.pdf?src-supplier=Digi-Key, ComponentLink3URL=https://katalog.we-online.de/pbs/datasheet/824501600.pdf?src-supplier=Digi-Key, Manufacturer Part Number=824501600, Min Breakdown Voltage=7.02V, Mount="Surface Mount", Number of Bidirectional Channels=1, Number of Pins=2, Packaging="Cut Tape", Polarity=Bidirectional, Pricing 1="1=0,28000, 10=0,26100, 50=0,26100, 100=0,23400, 500=0,20400, 1000=0,17400, 10000=0,17400 (USD)", REACH SVHC=Unknown, RoHS=Yes, RoHS Compliant=Yes, Stock 1=780, Supplier 1=Mouser
D205 D206 D207: library part LEDRS-0805-150, "0805(H=0.8mm) 红色 高亮 λD=625nm VF=2V IF=30mA PD=72mW", Case Code (Imperial)=0805, Case Code (Metric)=2012, Color=Red, Forward Current=30mA, Forward Voltage=2V, Manufacturer 1="Wurth Electronics", Max Operating Temperature=85°C, Min Operating Temperature=-40°C, Package Quantity=4000, Supplier Part Number 1=8154225P, Test Current=20mA, .Creator=DR, Case/Package=0805, Category=LEDs, ComponentLink1Description=Datasheet, ComponentLink1URL=https://www.we-online.com/catalog/datasheet/150080RS75000.pdf, ComponentLink2Description="Where buy it", ComponentLink2URL=https://katalog.we-online.de/en/led/WL-SMCW/150080RS75000, ComponentLink3Description=https://datasheet.ciiva.com/22656/150080rs75000-22656961.pdf?src-supplier=Element14, ComponentLink3URL=https://datasheet.ciiva.com/22656/150080rs75000-22656961.pdf?src-supplier=Element14, ComponentLink4Description=https://datasheet.ciiva.com/29279/759435-da-01-en-chipled-0805-w-kl-rot-150080rs75000-29279032.pdf?src-supplier=Conrad, ComponentLink4URL=https://datasheet.ciiva.com/29279/759435-da-01-en-chipled-0805-w-kl-rot-150080rs75000-29279032.pdf?src-supplier=Conrad, Dominant Wavelength=625nm, Height=0.7mm, Length=2mm, Lens Style=Clear,Rectangular, Luminous Intensity=150mcd, Manufacturer Part Number 1=150080RS75000, Mount="Surface Mount", Packaging="Tape and Reel", Pricing 1="50=0,19300, 500=0,12900, 1000=0,12300, 2000=0,11700, 4000=0,11100 (USD)", REACH SVHC=Unknown, RoHS=Yes, RoHS Compliant=Yes, Stock 1=1, Supplier 1=RSComponents, Viewing Angle=140°, Wavelength=625nm, Width=1.25mm